# Altium PCB THE_FIRST.PcbDoc (part 2 of 2)
Units mm, origin at the board's own origin, x right, y up, seen from the top; angles counter-clockwise.
Board outline 152.4 x 101.6 mm, 4 copper layers (Top Layer, Layer 1, Layer 2, Bottom Layer), stack 1.55 mm thick; 156 components, 84 nets, 760 pads, 521 vias.
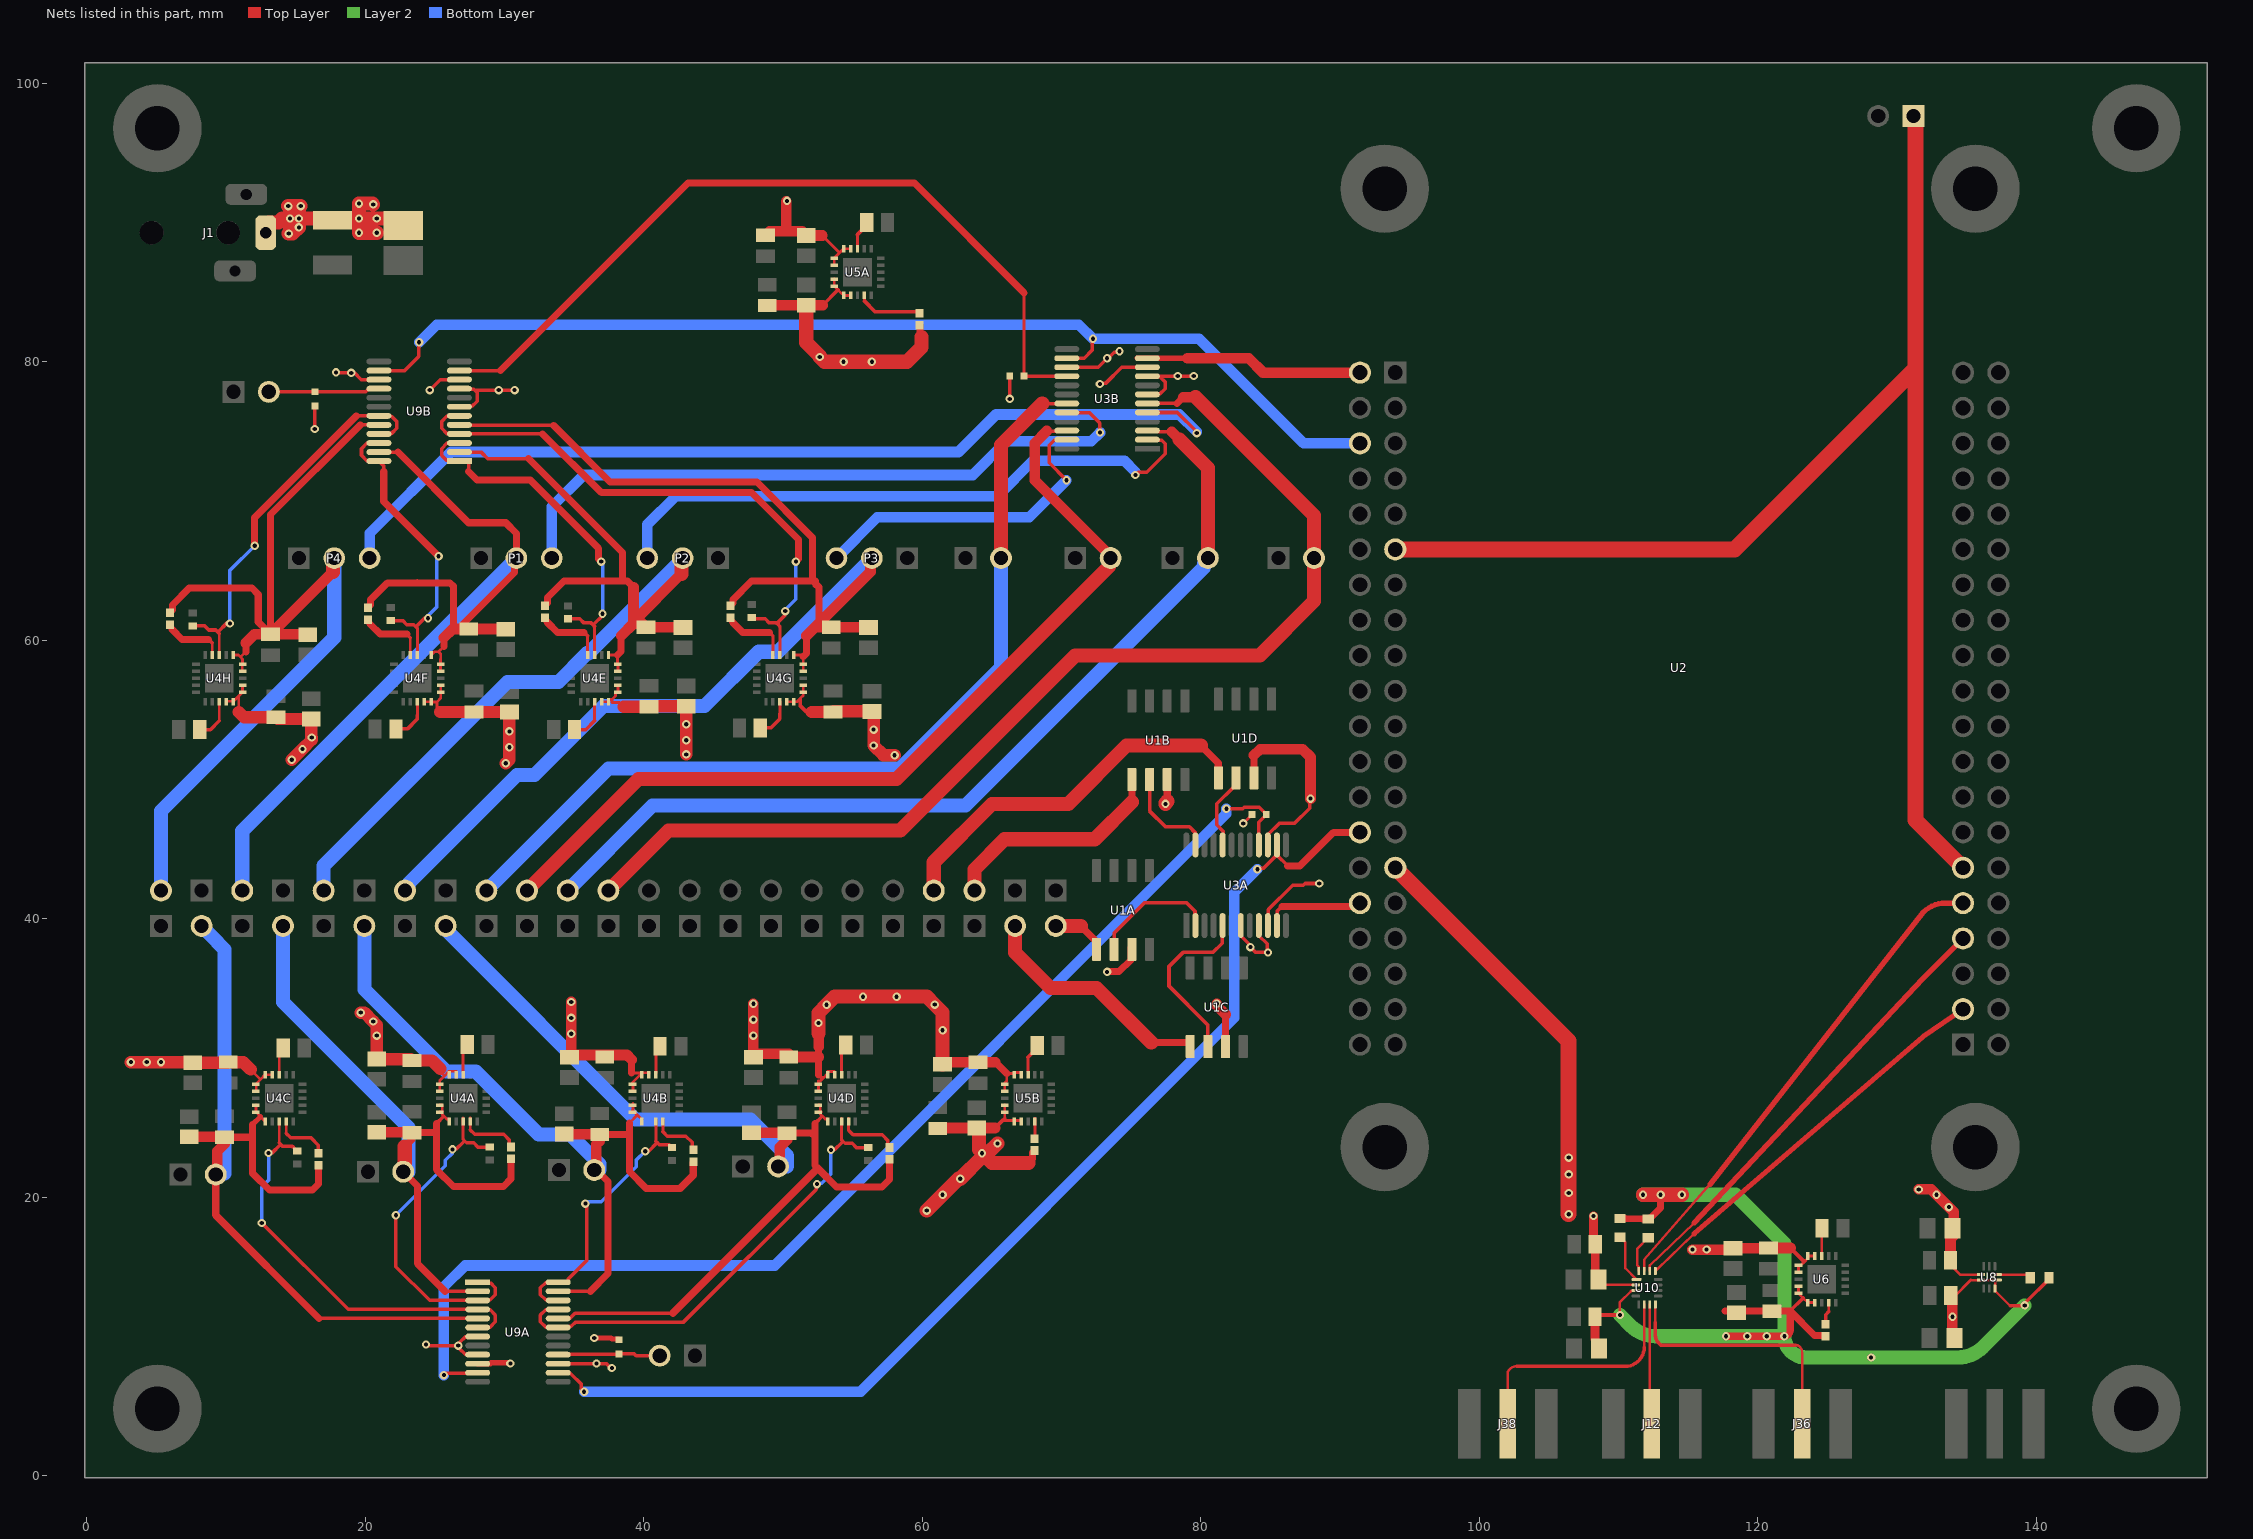
[diagram p4: the nets of this part, all layers, seen from the top]

## Via types
v1: diameter 0.6, hole 0.3, Top Layer to Bottom Layer, 521 vias

## Nets (pads, with @x,y where several pads share a name; then routed paths per layer and width w, separated by ;. In a path a pad name is that pad's centre, name@x,y a point inside that pad or via, vN(x,y) a via of type N, cw(c..) or ccw(c..) an arc to the next point about the centre after c; other vN are vias at no path point) (continued)
NetC7_1: C7.1 U6.13 | length 2
  Top Layer w0.203: U6.13@124.603,15.796 C7.1@124.603,17.764
  Top Layer w0.254: C7.1@124.603,17.764 C7.1@124.627,17.788
"NetC8 0.1uFA_1": "C8 0.1uFA.1" U5A.13 | length 2.2
  Top Layer w0.203: U5A.13@55.355,88.126 55.355,89.148
  Top Layer w0.254: 55.355,89.148 56.014,89.807 56.014,90.007
"NetC8 0.1uFB_1": "C8 0.1uFB.1" U5B.13 | length 2.2
  Top Layer w0.203: U5B.13@67.6,29.035 67.6,30.057
  Top Layer w0.254: 67.6,30.057 68.259,30.716 68.259,30.916
"NetC22 0.1uFA_1": "C22 0.1uFA.1" U4A.13 | length 2
  Top Layer w0.203: U4A.13@27.031,29.061 27.031,30.69
  Top Layer w0.254: 27.031,30.69 27.329,30.988
"NetC22 0.1uFB_1": "C22 0.1uFB.1" U4B.13 | length 2
  Top Layer w0.203: U4B.13@40.874,28.934 40.874,30.563
  Top Layer w0.254: 40.874,30.563 41.172,30.861
"NetC22 0.1uFC_1": "C22 0.1uFC.1" U4C.13 | length 2
  Top Layer w0.203: U4C.13@13.823,28.807 13.823,30.436 14.121,30.734
"NetC22 0.1uFD_1": "C22 0.1uFD.1" U4D.13 | length 2
  Top Layer w0.203: U4D.13@54.209,29.025 54.209,30.654
  Top Layer w0.254: 54.209,30.654 54.507,30.952
"NetC22 0.1uFE_1": "C22 0.1uFE.1" U4E.13 | length 3.1
  Top Layer w0.203: 36.473,54.229 U4E.13@36.473,55.602
  Top Layer w0.254: 35.04,53.594 35.838,53.594 36.473,54.229
"NetC22 0.1uFF_1": "C22 0.1uFF.1" U4F.13 | length 3.1
  Top Layer w0.203: 23.749,54.61 U4F.13@23.749,55.602
  Top Layer w0.254: 22.213,53.643 23.036,53.643 23.749,54.356 23.749,54.61
"NetC22 0.1uFG_1": "C22 0.1uFG.1" U4G.13 | length 2.9
  Top Layer w0.203: 49.784,54.737 U4G.13@49.784,55.602
  Top Layer w0.254: 48.375,53.721 49.145,53.721 49.784,54.36 49.784,54.737
"NetC22 0.1uFH_1": "C22 0.1uFH.1" U4H.13 | length 3
  Top Layer w0.203: 9.525,54.229 U4H.13@9.525,55.602
  Top Layer w0.254: 8.116,53.594 8.89,53.594 9.525,54.229
"NetR1 10kA_1": "R1 10kA.1" U5A.4 | length 4.7
  Top Layer w0.203: 55.857,84.371 U5A.4@55.857,84.774
  Top Layer w0.254: 55.857,84.371 56.639,83.589 59.714,83.589 59.817,83.487
"NetR1 10kB_1": "R1 10kB.1" U5B.4 | length 1.5
  Top Layer w0.203: 68.102,24.255 U5B.4@68.102,25.683
  Top Layer w0.254: 68.072,24.225 68.102,24.255
"NetR4 10kA_1": "R4 10kA.1" U4A.4 | length 4.5
  Top Layer w0.203: 27.539,24.846 U4A.4@27.539,25.711
  Top Layer w0.254: 27.539,24.846 27.857,24.529 29.954,24.529 30.358,24.125 30.358,23.744 30.48,23.622
"NetR4 10kB_1": "R4 10kB.1" U4B.4 | length 3.9
  Top Layer w0.203: 41.382,24.719 U4B.4@41.382,25.584
  Top Layer w0.254: 41.382,24.719 41.7,24.402 43.032,24.402 43.479,23.955 43.479,23.498 43.561,23.416
"NetR4 10kC_1": "R4 10kC.1" U4C.4 | length 4.1
  Top Layer w0.203: 14.331,24.592 U4C.4@14.331,25.457
  Top Layer w0.254: 14.331,24.592 14.649,24.275 16.111,24.275 16.637,23.749 16.637,23.162
"NetR4 10kD_1": "R4 10kD.1" U4D.4 | length 4.9
  Top Layer w0.203: 54.717,24.81 U4D.4@54.717,25.675
  Top Layer w0.254: 54.717,24.81 55.035,24.493 57.132,24.493 57.536,24.089 57.536,23.708 57.658,23.586 ; 57.572,23.394 57.572,23.775
"NetR4 10kE_1": "R4 10kE.1" U4E.4 | length 5.1
  Top Layer w0.203: 35.965,60.325 35.965,58.96 U4E.4@35.973,58.952
  Top Layer w0.254: 32.917,61.627 33.076,61.468 33.076,61.309 ; 35.711,60.579 35.965,60.325
  Top Layer w0.508: 33.076,61.309 33.806,60.579 35.711,60.579
"NetR4 10kF_1": "R4 10kF.1" U4F.4 | length 4.9
  Top Layer w0.203: U4F.4@23.241,58.952 23.241,60.198
  Top Layer w0.254: 20.193,61.5 20.352,61.341 20.352,61.182 ; 22.987,60.452 23.241,60.198
  Top Layer w0.508: 20.352,61.182 21.082,60.452 22.987,60.452
"NetR4 10kG_1": "R4 10kG.1" U4G.4 | length 5.1
  Top Layer w0.203: 49.276,60.325 49.276,58.96 U4G.4@49.284,58.952
  Top Layer w0.254: 46.228,61.627 46.387,61.468 46.387,61.309 ; 49.022,60.579 49.276,60.325
  Top Layer w0.508: 46.387,61.309 47.117,60.579 49.022,60.579
"NetR4 10kH_1": "R4 10kH.1" U4H.4 | length 4.5
  Top Layer w0.203: U4H.4@9.017,58.952 9.017,59.817
  Top Layer w0.254: 5.969,61.119 6.128,60.96 6.128,60.801 ; 8.763,60.071 9.017,59.817
  Top Layer w0.508: 6.128,60.801 6.858,60.071 8.763,60.071
NetR5_1: R5.1 U6.4 | length 1.6
  Top Layer w0.203: 125.101,11.807 U6.4@125.101,12.444
  Top Layer w0.254: R5.1@124.881,10.898 124.881,11.587 125.101,11.807
NetR6_2: R6.2 U10.1 | length 3.5
  Top Layer w0.178: R6.2@110.109,17.145 110.503,16.751 110.503,14.915 U10.1@111.302,14.116
NetR7_2: R7.2 U8.2 | length 2.5
  Top Layer w0.178: U8.2@137.233,14.462 R7.2@139.371,14.462
  Top Layer w0.254: R7.2@139.371,14.462 139.573,14.26 R7.2@139.573,14.224
NetR8_1: R8.1 U10.16 | length 2.8
  Top Layer w0.178: U10.16@111.452,14.716 111.452,15.02 111.357,15.115 111.357,16.319 R8.1@112.141,17.103
OUT1: J34.2 R2.2 U9B.16 | length 8.8
  Top Layer w0.254: J34.2@13.081,77.851 13.083,77.853 16.381,77.853 R2.2@16.383,77.855 20.032,77.855 20.256,78.079 U9B.16@20.985,78.079 20.953,78.047 U9B.16@20.226,78.047
OUT2: J35.2 R1.2 U9A.16 | length 7.5
  Top Layer w0.254: U9A.16@33.887,8.736 U9A.16@33.86,8.708 ; U9A.16@33.892,8.677 U9A.16@33.86,8.708 ; J35.2@40.576,8.7 J35.2@40.64,8.636 ; J35.2@41.148,8.636 39.451,8.636 39.329,8.759 R1.2@38.227,8.759 38.202,8.733 33.885,8.733 U9A.16@33.86,8.708
RC1: U1A.2 U3A.2 | length 9
  Top Layer w0.254: U1A.2@73.787,38.015 73.787,38.989 75.946,41.148 78.997,41.148 79.593,40.552 79.593,39.559 U3A.2@79.625,39.527
RC2: U1B.2 U3A.23 | length 7.3
  Top Layer w0.254: U1B.2@76.327,50.207 76.327,47.752 77.47,46.609 79.195,46.609 79.593,46.211 79.593,45.341 U3A.23@79.625,45.309
RC3: U1C.2 U3A.5 | length 12.5
  Top Layer w0.254: U1C.2@80.518,31.03 80.518,32.385 77.724,35.179 77.724,36.584 78.732,37.592 80.877,37.592 81.543,38.258 81.543,39.495 U3A.5@81.575,39.527
RC4: U1D.2 U3A.20 | length 5.8
  Top Layer w0.254: U3A.20@81.575,45.309 81.607,45.341 81.607,46.301 81.153,46.755 81.153,48.26 82.329,49.436 82.352,49.436 82.55,49.634 U1D.2@82.55,50.334
RESETA1: U2.JP1_6 U3B.14 U9B.14 | length 78.8
  Top Layer w0.254: U9B.14@20.985,79.379 22.83,79.379 23.842,80.391 23.842,81.373 v1(23.876,81.407) ; U3B.14@70.388,80.268 71.632,80.268 72.197,80.833 72.197,81.595 v1(72.263,81.661)
  Bottom Layer w0.762: v1(23.876,81.407) 25.146,82.677 71.247,82.677 v1(72.263,81.661) 79.883,81.661 87.388,74.156 U2.JP1_6@91.437,74.156
RESETA2: U2.JP1_28 U3A.14 U9A.14 | length 81.6
  Top Layer w0.254: U9A.14@33.86,7.408 33.892,7.377 34.726,7.377 35.53,6.572 35.53,6.24 v1(35.725,6.045) ; v1(84.074,43.561) 84.14,43.627 84.516,43.627 U3A.14@85.475,44.586 ; U3A.14@85.475,45.309 U3A.14@85.475,44.586 ; 86.246,43.815 U3A.14@85.475,44.586
  Top Layer w0.508: 86.246,43.815 87.122,43.815 89.523,46.216 U2.JP1_28@91.437,46.216
  Bottom Layer w0.762: v1(35.725,6.045) 55.575,6.045 82.423,32.893 82.423,41.91 v1(84.074,43.561)
ResH1: P2.3 U3B.2 | length 44.8
  Top Layer w0.254: v1(75.311,71.882) 75.505,72.076 76.122,72.076 77.445,73.4 77.445,74.136 77.195,74.386 76.202,74.386 U3B.2@76.17,74.418
  Bottom Layer w0.254: v1(75.311,71.882) v1@75.311,72.114
  Bottom Layer w0.762: P2.3@40.259,65.911 40.259,68.326 42.291,70.358 65.405,70.358 67.945,72.898 74.527,72.898 v1@75.311,72.114
ResH2: P1.3 U3B.20 | length 48.6
  Top Layer w0.254: U3B.20@70.388,76.368 70.42,76.336 72.03,76.336 72.755,75.611 72.755,74.946 v1(72.771,74.93)
  Bottom Layer w0.762: P1.3@33.401,65.913 33.401,69.596 35.687,71.882 63.627,71.882 66.04,74.295 72.145,74.295 72.771,74.921 v1(72.771,74.93)
ResH3B: P4.3 U3B.5 | length 69.5
  Top Layer w0.254: U3B.5@76.17,76.368 78.318,76.368 79.713,74.973 v1(79.713,74.887)
  Bottom Layer w0.254: P4.3@20.32,65.913 P4.3@20.32,66.294 ; v1(79.713,74.887) v1@79.713,74.973
  Bottom Layer w0.762: P4.3@20.32,66.294 20.32,67.691 26.162,73.533 62.611,73.533 65.303,76.225 78.461,76.225 v1@79.713,74.973
ResH4: P3.3 U3B.23 | length 23.3
  Top Layer w0.254: v1(70.359,71.501) 69.113,72.747 69.113,74.013 69.486,74.386 70.356,74.386 U3B.23@70.388,74.418
  Bottom Layer w0.762: P3.3@53.848,65.913 56.769,68.834 67.692,68.834 v1(70.359,71.501)
ResL1: "R8 12.6kA.2" U4A.3 U9A.1 U9A.3 | length 25.2
  Top Layer w0.203: 27.031,24.169 U4A.3@27.031,25.711
  Top Layer w0.254: v1(22.205,18.715) 22.205,15.032 24.629,12.608 U9A.3@28.077,12.608 28.109,12.64 28.979,12.64 29.352,13.014 29.352,13.503 29.006,13.85 28.136,13.85 U9A.1@28.077,13.908 ; v1(26.269,23.449) 26.52,23.449 27.113,24.042 27.158,24.042 ; 27.031,24.169 27.158,24.042 ; 28.936,23.617 28.09,23.617 27.792,23.915 27.285,23.915 27.158,24.042
  Bottom Layer w0.254: v1(22.205,18.715) 25.761,22.271 25.761,22.667 26.269,23.175 v1(26.269,23.449)
ResL2: "R8 12.6kB.2" U4B.3 U9A.22 U9A.24 | length 20.5
  Top Layer w0.203: 40.874,24.042 U4B.3@40.874,25.584
  Top Layer w0.254: U9A.22@33.86,12.608 33.828,12.64 32.958,12.64 32.585,13.014 32.585,13.503 32.958,13.877 33.828,13.877 U9A.24@33.86,13.908 34.498,13.908 34.575,13.986 34.575,14.144 35.925,15.494 35.925,19.447 v1(35.814,19.558) ; v1(40.112,23.322) 40.363,23.322 40.956,23.915 41.001,23.915 ; 40.874,24.042 41.001,23.915 ; 42.037,23.579 41.828,23.788 41.128,23.788 41.001,23.915
  Bottom Layer w0.254: v1(35.814,19.558) 35.941,19.685 36.957,19.685 39.477,22.205 39.477,22.687 v1(40.112,23.322)
ResL3: "R8 12.6kC.2" U4C.3 U9A.4 U9A.6 | length 30.9
  Top Layer w0.203: 13.823,23.915 U4C.3@13.823,25.457
  Top Layer w0.254: v1(12.573,18.161) 18.776,11.958 U9A.4@28.077,11.958 28.109,11.927 28.979,11.927 29.352,11.553 29.352,11.064 28.979,10.69 28.109,10.69 U9A.6@28.077,10.658 ; v1(13.061,23.195) 13.312,23.195 13.905,23.788 13.95,23.788 ; 13.823,23.915 13.95,23.788 ; 15.113,23.325 15.068,23.325 14.94,23.453 14.94,23.498 14.777,23.661 14.077,23.661 13.95,23.788
  Bottom Layer w0.254: v1(12.573,18.161) 12.573,20.74 13.061,21.229 v1(13.061,23.195)
ResL4: "R8 12.6kD.2" U4D.3 U9A.19 U9A.21 | length 34.3
  Top Layer w0.203: 54.209,24.133 U4D.3@54.209,25.675
  Top Layer w0.254: U9A.21@33.86,11.958 33.828,11.927 32.958,11.927 32.585,11.553 32.585,11.064 32.958,10.69 33.828,10.69 U9A.19@33.86,10.658 34.589,10.658 34.673,10.742 34.81,10.742 35.117,11.049 42.86,11.049 52.385,20.574 52.385,20.889 v1(52.451,20.955) ; v1(53.447,23.413) 53.698,23.413 54.291,24.006 54.336,24.006 ; 54.209,24.133 54.336,24.006 ; 56.114,23.581 55.268,23.581 54.97,23.879 54.463,23.879 54.336,24.006
  Bottom Layer w0.254: v1(52.451,20.955) 52.517,21.021 52.78,21.021 53.447,21.689 v1(53.447,23.413)
ResL5: "R8 12.6kE.2" U4E.3 U9B.1 U9B.3 | length 26.5
  Top Layer w0.203: U4E.3@36.473,58.952 36.473,61.002
  Top Layer w0.254: U9B.3@26.767,74.179 26.735,74.147 25.865,74.147 25.492,73.774 25.492,73.284 25.838,72.938 26.709,72.938 26.748,72.898 27.432,72.898 27.432,72.136 ; 34.568,61.554 35.414,61.554 35.712,61.256 36.219,61.256 36.346,61.129 ; 36.473,61.002 36.346,61.129 ; v1@36.763,65.853 v1(36.957,65.659) ; v1(37.045,61.912) 37.045,61.783 36.391,61.129 36.346,61.129
  Top Layer w0.508: 27.432,72.136 28.042,71.526 31.852,71.526 36.763,66.615 v1@36.763,65.853
  Bottom Layer w0.254: v1(36.957,65.659) 37.075,65.541 37.075,61.942 v1(37.045,61.912)
ResL6: "R8 12.6kF.2" U4F.3 U9B.22 U9B.24 | length 21.9
  Top Layer w0.203: U4F.3@23.749,58.952 23.749,60.875
  Top Layer w0.254: U9B.22@21.017,74.147 U9B.22@20.985,74.179 20.953,74.147 20.119,74.147 19.735,73.763 19.735,73.295 20.119,72.911 20.953,72.911 U9B.24@20.985,72.879 21.336,72.528 21.336,72.136 ; 21.844,61.427 22.69,61.427 22.988,61.129 23.495,61.129 23.622,61.002 ; 23.749,60.875 23.622,61.002 ; v1(24.511,61.595) 24.26,61.595 23.667,61.002 23.622,61.002
  Top Layer w0.508: 21.336,72.136 21.336,69.977 v1(25.273,66.04)
  Bottom Layer w0.254: v1(24.511,61.595) 24.511,61.762 25.146,62.397 25.146,65.913 v1(25.273,66.04)
ResL7: "R8 12.6kG.2" U4G.3 U9B.4 U9B.6 | length 41.8
  Top Layer w0.203: U4G.3@49.784,58.952 49.784,61.002
  Top Layer w0.254: U9B.6@26.767,76.129 26.735,76.097 25.865,76.097 25.492,75.724 25.492,75.234 25.865,74.861 26.735,74.861 U9B.4@26.767,74.829 32.74,74.829 ; 47.879,61.554 48.725,61.554 49.023,61.256 49.53,61.256 49.657,61.129 ; 49.784,61.002 49.657,61.129 ; v1(50.165,62.103) 50.165,61.828 49.657,61.32 49.657,61.129 ; v1(50.927,65.659) v1@51.121,65.853
  Top Layer w0.508: 32.74,74.829 36.957,70.612 47.752,70.612 51.121,67.243 v1@51.121,65.853
  Bottom Layer w0.254: v1(50.165,62.103) 50.165,62.195 50.927,62.957 v1(50.927,65.659)
ResL8: "R8 12.6kH.2" U4H.3 U9B.19 U9B.21 | length 28.5
  Top Layer w0.203: U4H.3@9.525,58.952 9.525,60.494
  Top Layer w0.254: 7.62,61.046 8.466,61.046 8.764,60.748 9.271,60.748 9.398,60.621 ; 9.525,60.494 9.398,60.621 ; v1(10.287,61.214) 10.036,61.214 9.443,60.621 9.398,60.621 ; 19.36,76.129 U9B.19@20.985,76.129 21.017,76.097 21.887,76.097 22.26,75.724 22.26,75.234 21.887,74.861 21.017,74.861 U9B.21@20.985,74.829
  Top Layer w0.508: v1(12.065,66.802) 12.065,68.834 19.36,76.129
  Bottom Layer w0.254: v1(10.287,61.214) 10.287,65.024 v1(12.065,66.802)
SC1A: J38.1 U10.6 | length 17.5
  Top Layer w0.178: J38.1@102.05,3.741 102.05,7.417 ; 102.05,7.418 cw(c102.228,7.417) 102.069,7.498 cw(c102.685,7.182) 102.685,7.874 ; 111.852,9.235 U10.6@111.852,12.316
  Top Layer w0.254: 102.685,7.874 110.488,7.874 ccw(c110.491,9.235) 111.852,9.235
SC1B: U2.JP2_3 U10.13 | length 29
  Top Layer w0.178: U10.13@112.652,14.716 112.756,14.816 115.443,17.399 ; 131.855,31.523 cw(c132.207,31.115) 131.902,31.559
  Top Layer w0.381: 115.443,17.399 131.855,31.523 ; 131.902,31.559 U2.JP2_3@134.747,33.516
SC2A: J12.1 U10.7 | length 8.7
  Top Layer w0.178: U10.7@112.252,12.316 112.252,3.913 J12.1@112.395,3.77 ; J12.1@112.395,3.54 ccw(c112.32,3.615) J12.1@112.426,3.615
SC2B: U2.JP2_9 U10.15 | length 35.8
  Top Layer w0.178: U10.15@111.852,14.716 111.852,15.519 116.586,20.955
  Top Layer w0.381: 116.586,20.955 131.881,40.47 cw(c133.49,38.861) 133.49,41.136 U2.JP2_9@134.747,41.136
SC3A: J36.1 U10.8 | length 18.6
  Top Layer w0.178: 112.652,11.052 U10.8@112.652,12.316 ; 122.747,9.398 cw(c122.747,9.021) 123.014,9.288 cw(c122.588,8.862) 123.19,8.862 123.19,8.763 J36.1@123.19,3.81
  Top Layer w0.254: 112.652,11.052 112.652,10.131 ccw(c113.509,10.131) 112.903,9.525 113.03,9.398 113.21,9.398 122.747,9.398
SC3B: U2.JP2_7 U10.14 | length 32.9
  Top Layer w0.178: U10.14@112.252,14.716 112.252,15.116 115.443,18.161
  Top Layer w0.381: 115.443,18.161 131.826,35.687 U2.JP2_7@134.747,38.596
SDI1: U2.JP1_2 U3B.11 | length 16.4
  Top Layer w0.381: U3B.11@75.455,80.289 75.476,80.268 U3B.11@76.17,80.268 79.053,80.268
  Top Layer w0.762: 79.053,80.268 83.443,80.268 84.475,79.236 U2.JP1_2@91.437,79.236
SDI2: U2.JP1_32 U3A.11 | length 7.2
  Top Layer w0.254: U3A.11@85.475,39.527 85.507,39.559 85.507,40.572 85.834,40.9
  Top Layer w0.508: 85.834,40.9 91.201,40.9 U2.JP1_32@91.437,41.136
SDO1: R4.2 U3B.16 U9B.11 | length 58.4
  Top Layer w0.203: R4.2@67.31,78.994 67.31,84.963
  Top Layer w0.254: U9B.11@26.767,79.379 29.722,79.379 ; R4.2@67.31,78.994 67.336,78.968 U3B.16@70.388,78.968
  Top Layer w0.508: 29.722,79.379 43.18,92.837 59.436,92.837 67.31,84.963
SDO2: R3.2 U3A.16 U9A.11 | length 85
  Top Layer w0.254: v1(25.654,7.239) 25.792,7.377 28.045,7.377 U9A.11@28.077,7.408 ; v1(81.846,47.916) 83.013,47.916 83.121,48.025 84.195,48.025 84.598,47.621 84.598,47.596 84.709,47.486 84.175,46.952 U3A.16@84.175,45.309
  Bottom Layer w0.762: v1(25.654,7.239) 25.654,13.589 27.178,15.113 49.403,15.113 81.846,47.556 v1(81.846,47.916)
VDD: "C4 10uFA.1" "C4 10uFB.1" "C7 0.1uFA.1" "C7 0.1uFB.1" "C13 10uFA.1" "C13 10uFB.1" "C13 10uFC.1" "C13 10uFD.1" "C13 10uFE.1" "C13 10uFF.1" "C13 10uFG.1" "C13 10uFH.1" "C18 0.10uFA.1" "C18 0.10uFB.1" "C18 0.10uFC.1" "C18 0.10uFD.1" "C18 0.10uFE.1" "C18 0.10uFF.1" "C18 0.10uFG.1" "C18 0.10uFH.1" C1.1 C2.2 C5.1 C6.1 J1.1 U1A.3 U1B.3 U1C.3 U1D.3 U3A.7 U3A.9 U3A.15 U3B.7 U3B.9 U3B.15 U4A.14 U4A.15 U4A.16 U4A.17 U4B.14 U4B.15 U4B.16 U4B.17 U4C.14 U4C.15 U4C.16 U4C.17 U4D.14 U4D.15 U4D.16 U4D.17 U4E.14 U4E.15 U4E.16 U4E.17 U4F.14 U4F.15 U4F.16 U4F.17 U4G.14 U4G.15 U4G.16 U4G.17 U4H.14 U4H.15 U4H.16 U4H.17 U5A.14 U5A.15 U5A.16 U5A.17 U5B.14 U5B.15 U5B.16 U5B.17 U6.14 U6.15 U6.16 U6.17 U9A.7 U9A.9 U9A.15 U9B.7 U9B.9 U9B.15 | length 217.4
  Top Layer w0.203: U4H.14@10.033,55.626 U4H.15@10.523,55.626 ; U4H.15@10.525,55.602 10.922,55.999 ; 10.922,54.864 10.922,55.999 ; U4H.17@11.2,56.777 U4H.16@11.2,56.277 10.922,55.999 ; 11.773,29.182 12.486,28.47 ; U4C.16@12.148,28.132 12.486,28.47 ; U4C.16@12.17,28.132 12.172,28.13 U4C.17@12.172,27.64 ; U4C.14@13.323,28.807 U4C.15@12.823,28.807 12.486,28.47 ; U4F.14@24.249,55.602 U4F.15@24.749,55.602 ; U4F.15@24.749,55.586 25.146,55.586 ; U4A.17@25.356,27.632 U4A.16@25.356,28.132 25.356,28.386 25.694,28.724 ; 25.38,29.25 25.38,29.037 25.694,28.724 ; 25.4,54.864 25.146,55.118 25.146,55.586 ; U4F.17@25.424,56.777 U4F.16@25.424,56.277 25.424,55.864 25.146,55.586 ; U4A.15@26.031,28.915 U4A.15@26.031,29.061 ; U4A.14@26.531,29.061 U4A.15@26.031,29.061 ; U4E.14@37.063,55.602 U4E.15@37.473,55.602 37.473,55.742 37.496,55.765 37.734,55.765 ; U4E.17@38.148,56.777 U4E.16@38.148,56.277 38.008,56.277 37.985,56.254 37.985,56.016 37.734,55.765 ; 38.563,55.245 38.258,55.55 37.734,55.55 37.734,55.765 ; 39.137,28.934 U4B.15@39.874,28.934 ; 39.199,28.259 U4B.15@39.874,28.934 ; U4B.17@39.223,27.632 U4B.16@39.223,28.257 ; U4B.14@40.374,28.934 40.351,28.958 39.898,28.958 U4B.15@39.874,28.934 ; 50.206,89.898 50.243,89.936 ; v1@50.243,91.518 v1(50.292,91.567) ; U4G.14@50.393,55.602 U4G.15@50.784,55.602 51.005,55.602 51.231,55.828 51.457,56.054 U4G.16@51.459,56.277 ; U4G.16@51.459,56.277 U4G.17@51.459,56.785 ; 52.534,28.35 52.684,28.35 52.708,28.374 52.708,28.378 52.945,28.615 ; U4D.17@52.558,27.632 52.558,28.348 ; 52.558,28.778 52.722,28.615 52.945,28.615 ; 52.827,89.082 54.069,87.84 ; U4D.15@53.209,29.025 53.209,28.875 53.186,28.852 53.182,28.852 52.945,28.615 ; U4D.15@53.211,29.047 U4D.14@53.709,29.047 ; U5A.17@53.68,86.951 U5A.16@53.68,87.451 54.069,87.84 ; U5A.14@54.855,88.126 U5A.15@54.355,88.126 54.069,87.84 ; U5B.17@65.925,27.632 U5B.16@65.925,28.132 65.925,28.214 66.073,28.362 66.073,28.892 U5B.15@66.598,28.892 ; U5B.15@66.671,28.965 U5B.14@67.098,28.965 ; U6.17@122.782,14.621 U6.17@122.928,14.621 U6.16@122.928,15.121 123.074,15.121 123.339,15.386 123.603,15.65 U6.15@123.603,15.796 U6.14@124.103,15.796 ; 25.694,28.724 U4A.15@26.031,29.061
  Top Layer w0.254: v1(17.907,79.248) 17.926,79.229 18.98,79.229 v1(18.999,79.21) 19.229,79.21 19.71,78.729 U9B.15@20.985,78.729 ; v1(24.364,9.435) 24.441,9.358 v1(26.683,9.358) v1@26.802,9.358 ; U9B.7@26.767,76.779 26.799,76.811 27.669,76.811 28.042,77.184 28.042,77.79 27.785,78.047 ; U9B.9@26.767,78.079 26.799,78.047 27.76,78.047 ; 27.89,77.978 v1(29.591,77.978) v1(30.734,77.978) ; U9A.9@28.077,8.708 28.045,8.74 27.175,8.74 26.802,9.114 v1@26.802,9.358 ; U9A.7@28.077,10.008 28.045,9.977 27.175,9.977 26.802,9.603 v1@26.802,9.358 ; U9A.15@33.86,8.058 33.865,8.064 36.608,8.064 v1(36.613,8.07) 37.302,8.07 37.625,7.747 v1(37.719,7.747) ; 51.231,55.828 51.231,55.322 51.689,54.864 52.07,54.864 ; U3B.15@70.388,79.618 72.633,79.618 v1(73.279,80.264) 73.358,80.264 73.8,80.706 74.102,80.706 v1(74.168,80.772) ; U3B.7@76.17,77.668 76.202,77.7 77.072,77.7 77.445,78.073 77.445,78.563 77.072,78.936 ; U3B.9@76.202,78.936 U3B.9@76.17,78.968 76.183,78.981 79.489,78.981 v1(79.502,78.994) ; U3A.7@82.875,39.527 82.875,38.804 83.5,38.179 83.5,38.039 83.947,37.592 v1(84.836,37.592) ; U3A.9@84.175,39.527 84.175,38.804 84.77,38.209 v1@84.77,37.658 ; U3A.15@84.825,45.309 84.825,46.032 85.656,46.863 86.741,46.863 87.838,47.96 87.838,48.595 v1(87.884,48.641) ; 122.353,16.371 123.222,15.502 123.339,15.386
  Top Layer w0.508: 39.137,28.934 39.137,29.893 ; 52.558,28.778 52.558,30.087 52.558,30.825 ; 65.26,29.706 66.073,28.892 ; v1(73.279,36.195) 73.297,36.213 74.145,36.213 74.986,37.054 74.986,37.944 U1A.3@75.057,38.015 ; v1@77.597,48.456 U1B.3@77.597,50.007 U1B.3@77.597,50.207 ; U1C.3@81.788,31.03 81.788,33.137 ; U1D.3@83.82,50.334 83.82,51.751
  Top Layer w0.762: 34.796,30.209 34.798,30.209 34.798,30.228 ; 34.796,30.228 34.798,30.228 ; v1(34.798,34.036) v1(34.798,32.893) v1(34.798,31.75) 34.798,30.228 ; 39.137,29.893 38.802,30.228 34.798,30.228 ; 47.752,30.317 47.879,30.317 ; 47.879,30.063 47.879,30.317 ; v1(47.879,33.909) v1(47.879,32.766) v1(47.879,31.623) 47.879,30.317 ; 48.751,89.094 49.041,89.384 50.243,89.384 ; v1@50.243,91.518 50.243,89.936 50.243,89.384 ; 50.419,30.087 52.558,30.087 ; 50.419,30.317 47.879,30.317 ; 52.558,30.825 52.558,31.795 ; 52.827,89.082 51.672,89.082 51.37,89.384 50.243,89.384 ; 61.468,29.555 61.614,29.701 62.185,29.701 62.19,29.706 64.008,29.706 65.26,29.706 ; v1(81.153,33.909) 81.153,33.772 81.788,33.137 ; 83.82,51.751 84.266,52.197 87.311,52.197 87.884,51.624 v1(87.884,48.641) ; v1(115.316,16.256) v1(116.332,16.256) C6.1@118.146,16.256 ; C6.1@118.237,16.347 C5.1@120.753,16.347 ; C5.1@120.777,16.371 122.353,16.371